# KiCad board pcb.kicad_pcb
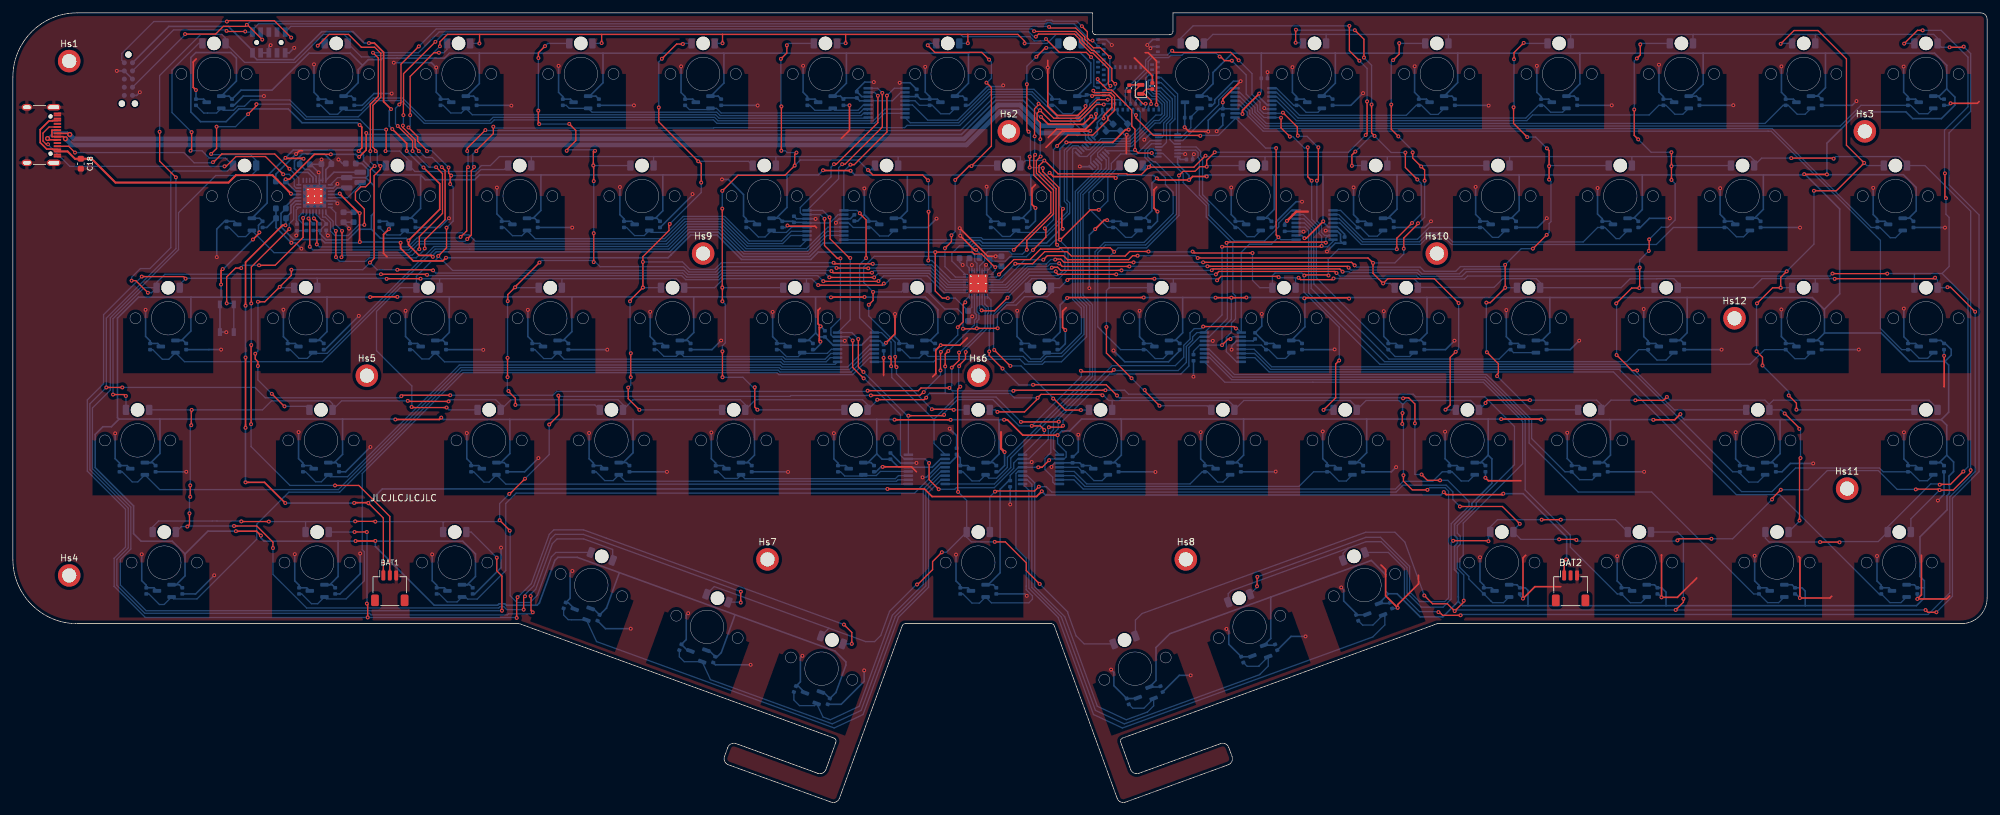
[diagram p0: board, top side]
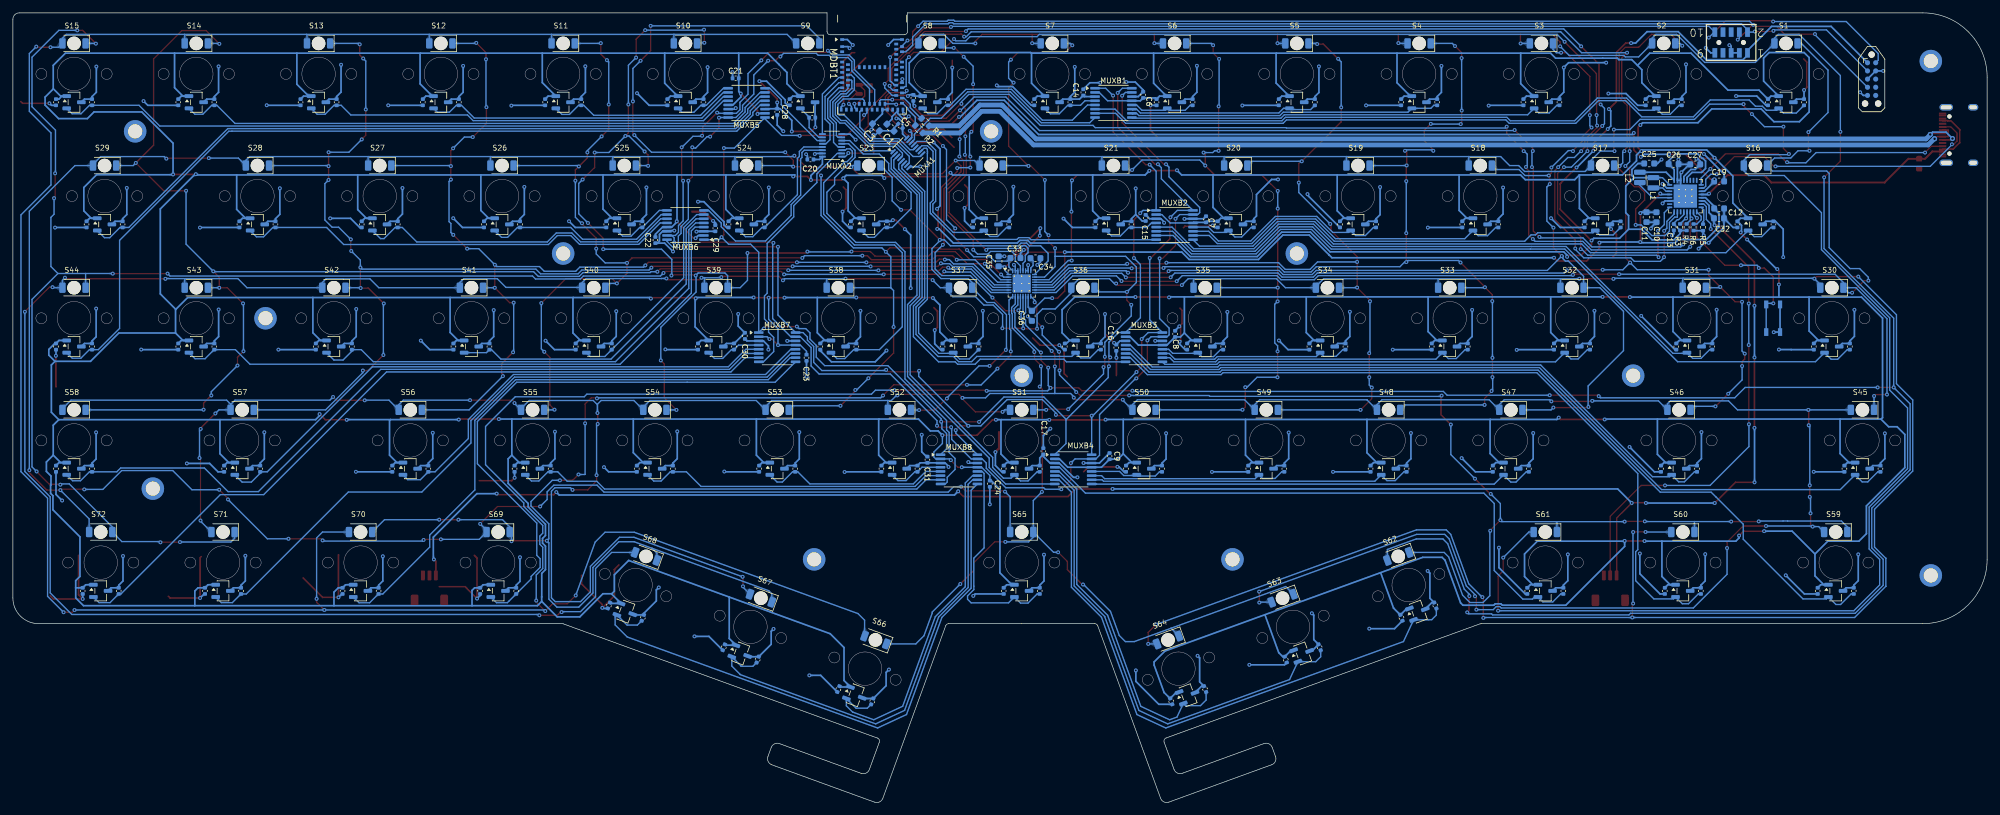
[diagram p1: board, bottom side, seen from below]

Outline 306.75 x 122.76 mm; copper layers: Top, Bottom. Coordinates in mm from the lower left corner of the outline.
Outline path: 0,112.76 0,37.76 arc(2.93,30.69) 10,27.76 78.61,27.76 arc(78.7,27.75) 78.78,27.73 127.58,9.97 arc(127.86,9.71) 127.87,9.33 126.33,5.08 arc(125.81,4.52) 125.05,4.49 112.36,9.1 arc(111.6,9.07) 111.08,8.51 110.57,7.1 arc(110.6,6.33) 111.16,5.81 127.14,0 arc(127.9,0.03) 128.42,0.6 138.19,27.43 arc(138.37,27.67) 138.66,27.76 161.34,27.76 arc(161.63,27.67) 161.81,27.43 171.58,0.6 arc(172.1,0.03) 172.86,0 188.84,5.81 arc(189.4,6.33) 189.43,7.1 188.92,8.51 arc(188.4,9.07) 187.64,9.1 174.95,4.49 arc(174.19,4.52) 173.67,5.08 172.13,9.33 arc(172.14,9.71) 172.42,9.97 221.22,27.73 arc(221.3,27.75) 221.39,27.76 302.75,27.76 arc(305.58,28.93) 306.75,31.76 306.75,121.76 arc(306.46,122.47) 305.75,122.76 180.25,122.76 180.25,119.86 arc(180.1,119.51) 179.75,119.36 168.25,119.36 arc(167.9,119.51) 167.75,119.86 167.75,122.76 10,122.76 arc(2.93,119.83) 0,112.76
Stack: Top 0.035mm / dielectric 1.51mm FR4 er 4.5 / Bottom 0.035mm

## Placement (name value [footprint] x y rotation side)
BAT1  ~  [JST_SH_SM03B-SRSS-TB_1x03-1MP_P1.00mm_Horizontal]  58.56 33.26 0 top
BAT2  ~  [JST_SH_SM03B-SRSS-TB_1x03-1MP_P1.00mm_Horizontal]  242.03 33.26 0 top
C1  10uF  [C_0603_1608Metric]  170.4 104.91 225 bottom
C2  12pF  [C_0402_1005Metric]  177.05 111.38 90 top
C3  10uF  [C_0603_1608Metric]  172.65 104.96 225 bottom
C4  12pF  [C_0402_1005Metric]  173.45 111.04 270 top
C5  .1uF  [C_0402_1005Metric]  168.85 105.16 225 bottom
C6  .1uF  [C_0402_1005Metric]  131.13 110.01 270 bottom
C7  .1uF  [C_0402_1005Metric]  121.36 90.65 270 bottom
C8  .1uF  [C_0402_1005Metric]  126.17 72.83 270 bottom
C9  .1uF  [C_0402_1005Metric]  136.35 53.82 270 bottom
C10  10uF  [C_0603_1608Metric]  51.38 90.98 270 bottom
C11  10uF  [C_0603_1608Metric]  52.93 90.99 270 bottom
C12  10uF  [C_0603_1608Metric]  41.64 92.34 180 bottom
C13  0.1uF  [C_0402_1005Metric]  48.68 89.43 90 bottom
C14  .1uF  [C_0402_1005Metric]  140.43 110.39 270 bottom
C15  .1uF  [C_0402_1005Metric]  130.74 90.87 270 bottom
C16  .1uF  [C_0402_1005Metric]  135.31 70.68 270 bottom
C17  .1uF  [C_0402_1005Metric]  146.64 54.57 270 bottom
C18  1uF  [C_0603_1608Metric]  10.56 99.3 270 top
C19  1uF  [C_0603_1608Metric]  41.64 96.55 180 bottom
C20  .1uF  [C_0402_1005Metric]  182.83 99.96 180 bottom
C21  .1uF  [C_0402_1005Metric]  194.45 112.58 180 bottom
C22  .1uF  [C_0402_1005Metric]  206.92 87.42 90 bottom
C23  .1uF  [C_0402_1005Metric]  183.44 69.12 90 bottom
C24  .1uF  [C_0402_1005Metric]  154.95 49.53 90 bottom
C25  10uF  [C_0603_1608Metric]  52.51 99.33 180 bottom
C26  10uF  [C_0603_1608Metric]  48.72 99.25 180 bottom
C27  2.2uF  [C_0603_1608Metric]  45.34 99.2 0 bottom
C28  .1uF  [C_0402_1005Metric]  187.99 107.37 270 bottom
C29  .1uF  [C_0402_1005Metric]  197.61 89.26 270 bottom
C30  .1uF  [C_0402_1005Metric]  193.01 72.52 270 bottom
C31  .1uF  [C_0402_1005Metric]  164.65 53.26 270 bottom
C32  2.2uF  [C_0603_1608Metric]  41.66 90.81 180 bottom
C33  1nF  [C_0603_1608Metric]  150.97 84.63 180 bottom
C34  1uF  [C_0603_1608Metric]  147.87 84.6 0 bottom
C35  1uF  [C_0603_1608Metric]  153.59 84.12 90 bottom
C36  1uF  [C_0603_1608Metric]  148.42 75.62 270 bottom
Cvcc1  0.1uF  [C_0402_1005Metric]  34.05 108.86 270 bottom
Cvcc2  0.1uF  [C_0402_1005Metric]  53.05 108.86 270 bottom
Cvcc3  0.1uF  [C_0402_1005Metric]  72.05 108.86 270 bottom
Cvcc4  0.1uF  [C_0402_1005Metric]  91.05 108.86 270 bottom
Cvcc5  0.1uF  [C_0402_1005Metric]  110.05 108.86 270 bottom
Cvcc6  0.1uF  [C_0402_1005Metric]  129.05 108.86 270 bottom
Cvcc7  0.1uF  [C_0402_1005Metric]  148.05 108.86 270 bottom
Cvcc8  0.1uF  [C_0402_1005Metric]  166.84 109.54 270 bottom
Cvcc9  0.1uF  [C_0402_1005Metric]  186.05 108.86 270 bottom
Cvcc10  0.1uF  [C_0402_1005Metric]  205.05 108.86 270 bottom
Cvcc11  0.1uF  [C_0402_1005Metric]  224.05 108.86 270 bottom
Cvcc12  0.1uF  [C_0402_1005Metric]  243.05 108.86 270 bottom
Cvcc13  0.1uF  [C_0402_1005Metric]  262.05 108.86 270 bottom
Cvcc14  0.1uF  [C_0402_1005Metric]  281.05 108.86 270 bottom
Cvcc15  0.1uF  [C_0402_1005Metric]  300.05 108.86 270 bottom
Cvcc16  0.1uF  [C_0402_1005Metric]  38.8 89.86 270 bottom
Cvcc17  0.1uF  [C_0402_1005Metric]  62.55 89.86 270 bottom
Cvcc18  0.1uF  [C_0402_1005Metric]  81.55 89.86 270 bottom
Cvcc19  0.1uF  [C_0402_1005Metric]  100.55 89.86 270 bottom
Cvcc20  0.1uF  [C_0402_1005Metric]  119.55 89.86 270 bottom
Cvcc21  0.1uF  [C_0402_1005Metric]  138.55 89.86 270 bottom
Cvcc22  0.1uF  [C_0402_1005Metric]  157.55 89.86 270 bottom
Cvcc23  0.1uF  [C_0402_1005Metric]  176.55 89.86 270 bottom
Cvcc24  0.1uF  [C_0402_1005Metric]  195.55 89.86 270 bottom
Cvcc25  0.1uF  [C_0402_1005Metric]  214.55 89.86 270 bottom
Cvcc26  0.1uF  [C_0402_1005Metric]  233.55 89.86 270 bottom
Cvcc27  0.1uF  [C_0402_1005Metric]  252.55 89.86 270 bottom
Cvcc28  0.1uF  [C_0402_1005Metric]  271.55 89.86 270 bottom
Cvcc29  0.1uF  [C_0402_1005Metric]  295.3 89.86 270 bottom
Cvcc30  0.1uF  [C_0402_1005Metric]  26.93 70.86 270 bottom
Cvcc31  0.1uF  [C_0402_1005Metric]  48.3 70.86 270 bottom
Cvcc32  0.1uF  [C_0402_1005Metric]  67.3 70.86 270 bottom
Cvcc33  0.1uF  [C_0402_1005Metric]  86.3 70.86 270 bottom
Cvcc34  0.1uF  [C_0402_1005Metric]  105.3 70.86 270 bottom
Cvcc35  0.1uF  [C_0402_1005Metric]  124.3 70.86 270 bottom
Cvcc36  0.1uF  [C_0402_1005Metric]  143.3 70.86 270 bottom
Cvcc37  0.1uF  [C_0402_1005Metric]  162.3 70.86 270 bottom
Cvcc38  0.1uF  [C_0402_1005Metric]  181.3 70.86 270 bottom
Cvcc39  0.1uF  [C_0402_1005Metric]  200.3 70.86 270 bottom
Cvcc40  0.1uF  [C_0402_1005Metric]  219.3 70.86 270 bottom
Cvcc41  0.1uF  [C_0402_1005Metric]  238.3 70.86 270 bottom
Cvcc42  0.1uF  [C_0402_1005Metric]  259.68 70.86 270 bottom
Cvcc43  0.1uF  [C_0402_1005Metric]  281.05 70.86 270 bottom
Cvcc44  0.1uF  [C_0402_1005Metric]  300.05 70.86 270 bottom
Cvcc45  0.1uF  [C_0402_1005Metric]  22.18 51.86 270 bottom
Cvcc46  0.1uF  [C_0402_1005Metric]  50.67 51.86 270 bottom
Cvcc47  0.1uF  [C_0402_1005Metric]  76.8 51.86 270 bottom
Cvcc48  0.1uF  [C_0402_1005Metric]  95.8 51.86 270 bottom
Cvcc49  0.1uF  [C_0402_1005Metric]  114.8 51.86 270 bottom
Cvcc50  0.1uF  [C_0402_1005Metric]  133.8 51.86 270 bottom
Cvcc51  0.1uF  [C_0402_1005Metric]  152.8 51.86 270 bottom
Cvcc52  0.1uF  [C_0402_1005Metric]  171.8 51.86 270 bottom
Cvcc53  0.1uF  [C_0402_1005Metric]  190.8 51.86 270 bottom
Cvcc54  0.1uF  [C_0402_1005Metric]  209.8 51.86 270 bottom
Cvcc55  0.1uF  [C_0402_1005Metric]  228.8 51.86 270 bottom
Cvcc56  0.1uF  [C_0402_1005Metric]  247.8 51.86 270 bottom
Cvcc57  0.1uF  [C_0402_1005Metric]  273.93 51.86 270 bottom
Cvcc58  0.1uF  [C_0402_1005Metric]  300.05 51.86 270 bottom
Cvcc59  0.1uF  [C_0402_1005Metric]  26.32 32.86 270 bottom
Cvcc60  0.1uF  [C_0402_1005Metric]  50.08 32.86 270 bottom
Cvcc61  0.1uF  [C_0402_1005Metric]  71.45 32.86 270 bottom
Cvcc62  0.1uF  [C_0402_1005Metric]  91 28.67 250 bottom
Cvcc63  0.1uF  [C_0402_1005Metric]  108.98 22.17 250 bottom
Cvcc64  0.1uF  [C_0402_1005Metric]  126.78 15.67 250 bottom
Cvcc65  0.1uF  [C_0402_1005Metric]  152.8 32.86 270 bottom
Cvcc66  0.1uF  [C_0402_1005Metric]  178.49 17.58 290 bottom
Cvcc67  0.1uF  [C_0402_1005Metric]  196.29 24.08 290 bottom
Cvcc68  0.1uF  [C_0402_1005Metric]  214.14 30.58 290 bottom
Cvcc69  0.1uF  [C_0402_1005Metric]  234.15 32.86 270 bottom
Cvcc70  0.1uF  [C_0402_1005Metric]  255.53 32.86 270 bottom
Cvcc71  0.1uF  [C_0402_1005Metric]  276.9 32.86 270 bottom
Cvcc72  0.1uF  [C_0402_1005Metric]  295.9 32.86 270 bottom
Cvout1  0.1nF  [C_0402_1005Metric]  28.45 108.86 90 bottom
Cvout2  0.1nF  [C_0402_1005Metric]  47.45 108.86 90 bottom
Cvout3  0.1nF  [C_0402_1005Metric]  66.45 108.86 90 bottom
Cvout4  0.1nF  [C_0402_1005Metric]  85.45 108.86 90 bottom
Cvout5  0.1nF  [C_0402_1005Metric]  104.45 108.86 90 bottom
Cvout6  0.1nF  [C_0402_1005Metric]  123.45 108.86 90 bottom
Cvout7  0.1nF  [C_0402_1005Metric]  142.45 108.86 90 bottom
Cvout8  0.1nF  [C_0402_1005Metric]  161.45 108.86 90 bottom
Cvout9  0.1nF  [C_0402_1005Metric]  182.55 106.46 180 bottom
Cvout10  0.1nF  [C_0402_1005Metric]  199.45 108.86 90 bottom
Cvout11  0.1nF  [C_0402_1005Metric]  218.45 108.86 90 bottom
Cvout12  0.1nF  [C_0402_1005Metric]  237.45 108.86 90 bottom
Cvout13  0.1nF  [C_0402_1005Metric]  256.45 108.86 90 bottom
Cvout14  0.1nF  [C_0402_1005Metric]  275.45 108.86 90 bottom
Cvout15  0.1nF  [C_0402_1005Metric]  294.45 108.86 90 bottom
Cvout16  0.1nF  [C_0402_1005Metric]  33.2 89.86 90 bottom
Cvout17  0.1nF  [C_0402_1005Metric]  56.95 89.86 90 bottom
Cvout18  0.1nF  [C_0402_1005Metric]  75.95 89.86 90 bottom
Cvout19  0.1nF  [C_0402_1005Metric]  94.95 89.86 90 bottom
Cvout20  0.1nF  [C_0402_1005Metric]  113.95 89.86 90 bottom
Cvout21  0.1nF  [C_0402_1005Metric]  132.95 89.86 90 bottom
Cvout22  0.1nF  [C_0402_1005Metric]  151.95 89.86 90 bottom
Cvout23  0.1nF  [C_0402_1005Metric]  170.95 89.86 90 bottom
Cvout24  0.1nF  [C_0402_1005Metric]  189.95 89.86 90 bottom
Cvout25  0.1nF  [C_0402_1005Metric]  208.95 89.86 90 bottom
Cvout26  0.1nF  [C_0402_1005Metric]  227.95 89.86 90 bottom
Cvout27  0.1nF  [C_0402_1005Metric]  246.95 89.86 90 bottom
Cvout28  0.1nF  [C_0402_1005Metric]  265.95 89.86 90 bottom
Cvout29  0.1nF  [C_0402_1005Metric]  289.7 89.86 90 bottom
Cvout30  0.1nF  [C_0402_1005Metric]  21.32 70.86 90 bottom
Cvout31  0.1nF  [C_0402_1005Metric]  42.7 70.86 90 bottom
Cvout32  0.1nF  [C_0402_1005Metric]  61.7 70.86 90 bottom
Cvout33  0.1nF  [C_0402_1005Metric]  80.7 70.86 90 bottom
Cvout34  0.1nF  [C_0402_1005Metric]  99.7 70.86 90 bottom
Cvout35  0.1nF  [C_0402_1005Metric]  118.7 70.86 90 bottom
Cvout36  0.1nF  [C_0402_1005Metric]  137.7 70.86 90 bottom
Cvout37  0.1nF  [C_0402_1005Metric]  156.7 70.86 90 bottom
Cvout38  0.1nF  [C_0402_1005Metric]  175.7 70.86 90 bottom
Cvout39  0.1nF  [C_0402_1005Metric]  194.7 70.86 90 bottom
Cvout40  0.1nF  [C_0402_1005Metric]  213.7 70.86 90 bottom
Cvout41  0.1nF  [C_0402_1005Metric]  232.7 70.86 90 bottom
Cvout42  0.1nF  [C_0402_1005Metric]  254.07 70.86 90 bottom
Cvout43  0.1nF  [C_0402_1005Metric]  275.45 70.86 90 bottom
Cvout44  0.1nF  [C_0402_1005Metric]  294.45 70.86 90 bottom
Cvout45  0.1nF  [C_0402_1005Metric]  16.57 51.86 90 bottom
Cvout46  0.1nF  [C_0402_1005Metric]  45.08 51.86 90 bottom
Cvout47  0.1nF  [C_0402_1005Metric]  71.2 51.86 90 bottom
Cvout48  0.1nF  [C_0402_1005Metric]  90.2 51.86 90 bottom
Cvout49  0.1nF  [C_0402_1005Metric]  109.2 51.86 90 bottom
Cvout50  0.1nF  [C_0402_1005Metric]  128.2 51.86 90 bottom
Cvout51  0.1nF  [C_0402_1005Metric]  147.2 51.86 90 bottom
Cvout52  0.1nF  [C_0402_1005Metric]  166.2 51.86 90 bottom
Cvout53  0.1nF  [C_0402_1005Metric]  185.2 51.86 90 bottom
Cvout54  0.1nF  [C_0402_1005Metric]  204.2 51.86 90 bottom
Cvout55  0.1nF  [C_0402_1005Metric]  223.2 51.86 90 bottom
Cvout56  0.1nF  [C_0402_1005Metric]  242.2 51.86 90 bottom
Cvout57  0.1nF  [C_0402_1005Metric]  268.32 51.86 90 bottom
Cvout58  0.1nF  [C_0402_1005Metric]  294.45 51.86 90 bottom
Cvout59  0.1nF  [C_0402_1005Metric]  20.73 32.86 90 bottom
Cvout60  0.1nF  [C_0402_1005Metric]  44.48 32.86 90 bottom
Cvout61  0.1nF  [C_0402_1005Metric]  65.85 32.86 90 bottom
Cvout62  0.1nF  [C_0402_1005Metric]  85.74 30.58 70 bottom
Cvout63  0.1nF  [C_0402_1005Metric]  103.71 24.08 70 bottom
Cvout64  0.1nF  [C_0402_1005Metric]  121.51 17.58 70 bottom
Cvout65  0.1nF  [C_0402_1005Metric]  147.2 32.86 90 bottom
Cvout66  0.1nF  [C_0402_1005Metric]  173.22 15.67 110 bottom
Cvout67  0.1nF  [C_0402_1005Metric]  191.02 22.17 110 bottom
Cvout68  0.1nF  [C_0402_1005Metric]  208.87 28.67 110 bottom
Cvout69  0.1nF  [C_0402_1005Metric]  228.55 32.86 90 bottom
Cvout70  0.1nF  [C_0402_1005Metric]  249.93 32.86 90 bottom
Cvout71  0.1nF  [C_0402_1005Metric]  271.3 32.86 90 bottom
Cvout72  0.1nF  [C_0402_1005Metric]  290.3 32.86 90 bottom
D1  Green LED  [LED_1206_3216Metric_ReverseMount_Hole2.1mm]  31.25 118.01 0 bottom
D2  Green LED  [LED_1206_3216Metric_ReverseMount_Hole2.1mm]  50.25 118.01 0 bottom
D3  Green LED  [LED_1206_3216Metric_ReverseMount_Hole2.1mm]  69.25 118.01 0 bottom
D4  Green LED  [LED_1206_3216Metric_ReverseMount_Hole2.1mm]  88.25 118.01 0 bottom
D5  Green LED  [LED_1206_3216Metric_ReverseMount_Hole2.1mm]  107.25 118.01 0 bottom
D6  Green LED  [LED_1206_3216Metric_ReverseMount_Hole2.1mm]  126.25 118.01 0 bottom
D7  Green LED  [LED_1206_3216Metric_ReverseMount_Hole2.1mm]  145.25 118.01 0 bottom
D8  Green LED  [LED_1206_3216Metric_ReverseMount_Hole2.1mm]  164.25 118.01 0 bottom
D9  Green LED  [LED_1206_3216Metric_ReverseMount_Hole2.1mm]  183.25 118.01 0 bottom
D10  Green LED  [LED_1206_3216Metric_ReverseMount_Hole2.1mm]  202.25 118.01 0 bottom
D11  Green LED  [LED_1206_3216Metric_ReverseMount_Hole2.1mm]  221.25 118.01 0 bottom
D12  Green LED  [LED_1206_3216Metric_ReverseMount_Hole2.1mm]  240.25 118.01 0 bottom
D13  Green LED  [LED_1206_3216Metric_ReverseMount_Hole2.1mm]  259.25 118.01 0 bottom
D14  Green LED  [LED_1206_3216Metric_ReverseMount_Hole2.1mm]  278.25 118.01 0 bottom
D15  Green LED  [LED_1206_3216Metric_ReverseMount_Hole2.1mm]  297.25 118.01 0 bottom
D16  Green LED  [LED_1206_3216Metric_ReverseMount_Hole2.1mm]  36 99.01 0 bottom
D17  Green LED  [LED_1206_3216Metric_ReverseMount_Hole2.1mm]  59.75 99.01 0 bottom
D18  Green LED  [LED_1206_3216Metric_ReverseMount_Hole2.1mm]  78.75 99.01 0 bottom
D19  Green LED  [LED_1206_3216Metric_ReverseMount_Hole2.1mm]  97.75 99.01 0 bottom
D20  Green LED  [LED_1206_3216Metric_ReverseMount_Hole2.1mm]  116.75 99.01 0 bottom
D21  Green LED  [LED_1206_3216Metric_ReverseMount_Hole2.1mm]  135.75 99.01 0 bottom
D22  Green LED  [LED_1206_3216Metric_ReverseMount_Hole2.1mm]  154.75 99.01 0 bottom
D23  Green LED  [LED_1206_3216Metric_ReverseMount_Hole2.1mm]  173.75 99.01 0 bottom
D24  Green LED  [LED_1206_3216Metric_ReverseMount_Hole2.1mm]  192.75 99.01 0 bottom
D25  Green LED  [LED_1206_3216Metric_ReverseMount_Hole2.1mm]  211.75 99.01 0 bottom
D26  Green LED  [LED_1206_3216Metric_ReverseMount_Hole2.1mm]  230.75 99.01 0 bottom
D27  Green LED  [LED_1206_3216Metric_ReverseMount_Hole2.1mm]  249.75 99.01 0 bottom
D28  Green LED  [LED_1206_3216Metric_ReverseMount_Hole2.1mm]  268.75 99.01 0 bottom
D29  Green LED  [LED_1206_3216Metric_ReverseMount_Hole2.1mm]  292.5 99.01 0 bottom
D30  Green LED  [LED_1206_3216Metric_ReverseMount_Hole2.1mm]  24.12 80.01 0 bottom
D31  Green LED  [LED_1206_3216Metric_ReverseMount_Hole2.1mm]  45.5 80.01 0 bottom
D32  Green LED  [LED_1206_3216Metric_ReverseMount_Hole2.1mm]  64.5 80.01 0 bottom
D33  Green LED  [LED_1206_3216Metric_ReverseMount_Hole2.1mm]  83.5 80.01 0 bottom
D34  Green LED  [LED_1206_3216Metric_ReverseMount_Hole2.1mm]  102.5 80.01 0 bottom
D35  Green LED  [LED_1206_3216Metric_ReverseMount_Hole2.1mm]  121.5 80.01 0 bottom
D36  Green LED  [LED_1206_3216Metric_ReverseMount_Hole2.1mm]  140.5 80.01 0 bottom
D37  Green LED  [LED_1206_3216Metric_ReverseMount_Hole2.1mm]  159.5 80.01 0 bottom
D38  Green LED  [LED_1206_3216Metric_ReverseMount_Hole2.1mm]  178.5 80.01 0 bottom
D39  Green LED  [LED_1206_3216Metric_ReverseMount_Hole2.1mm]  197.5 80.01 0 bottom
D40  Green LED  [LED_1206_3216Metric_ReverseMount_Hole2.1mm]  216.5 80.01 0 bottom
D41  Green LED  [LED_1206_3216Metric_ReverseMount_Hole2.1mm]  235.5 80.01 0 bottom
D42  Green LED  [LED_1206_3216Metric_ReverseMount_Hole2.1mm]  256.88 80.01 0 bottom
D43  Green LED  [LED_1206_3216Metric_ReverseMount_Hole2.1mm]  278.25 80.01 0 bottom
D44  Green LED  [LED_1206_3216Metric_ReverseMount_Hole2.1mm]  297.25 80.01 0 bottom
D45  Green LED  [LED_1206_3216Metric_ReverseMount_Hole2.1mm]  19.38 61.01 0 bottom
D46  Green LED  [LED_1206_3216Metric_ReverseMount_Hole2.1mm]  47.88 61.01 0 bottom
D47  Green LED  [LED_1206_3216Metric_ReverseMount_Hole2.1mm]  74 61.01 0 bottom
D48  Green LED  [LED_1206_3216Metric_ReverseMount_Hole2.1mm]  93 61.01 0 bottom
D49  Green LED  [LED_1206_3216Metric_ReverseMount_Hole2.1mm]  112 61.01 0 bottom
D50  Green LED  [LED_1206_3216Metric_ReverseMount_Hole2.1mm]  131 61.01 0 bottom
D51  Green LED  [LED_1206_3216Metric_ReverseMount_Hole2.1mm]  150 61.01 0 bottom
D52  Green LED  [LED_1206_3216Metric_ReverseMount_Hole2.1mm]  169 61.01 0 bottom
D53  Green LED  [LED_1206_3216Metric_ReverseMount_Hole2.1mm]  188 61.01 0 bottom
D54  Green LED  [LED_1206_3216Metric_ReverseMount_Hole2.1mm]  207 61.01 0 bottom
D55  Green LED  [LED_1206_3216Metric_ReverseMount_Hole2.1mm]  226 61.01 0 bottom
D56  Green LED  [LED_1206_3216Metric_ReverseMount_Hole2.1mm]  245 61.01 0 bottom
D57  Green LED  [LED_1206_3216Metric_ReverseMount_Hole2.1mm]  271.12 61.01 0 bottom
D58  Green LED  [LED_1206_3216Metric_ReverseMount_Hole2.1mm]  297.25 61.01 0 bottom
D59  Green LED  [LED_1206_3216Metric_ReverseMount_Hole2.1mm]  23.52 42.01 0 bottom
D60  Green LED  [LED_1206_3216Metric_ReverseMount_Hole2.1mm]  47.27 42.01 0 bottom
D61  Green LED  [LED_1206_3216Metric_ReverseMount_Hole2.1mm]  68.65 42.01 0 bottom
D62  Green LED  [LED_1206_3216Metric_ReverseMount_Hole2.1mm]  91.5 38.22 340 bottom
D63  Green LED  [LED_1206_3216Metric_ReverseMount_Hole2.1mm]  109.47 31.72 340 bottom
D64  Green LED  [LED_1206_3216Metric_ReverseMount_Hole2.1mm]  127.27 25.22 340 bottom
D65  Green LED  [LED_1206_3216Metric_ReverseMount_Hole2.1mm]  150 42.01 0 bottom
D66  Green LED  [LED_1206_3216Metric_ReverseMount_Hole2.1mm]  172.73 25.22 20 bottom
D67  Green LED  [LED_1206_3216Metric_ReverseMount_Hole2.1mm]  190.53 31.72 20 bottom
D68  Green LED  [LED_1206_3216Metric_ReverseMount_Hole2.1mm]  208.38 38.22 20 bottom
D69  Green LED  [LED_1206_3216Metric_ReverseMount_Hole2.1mm]  231.35 42.01 0 bottom
D70  Green LED  [LED_1206_3216Metric_ReverseMount_Hole2.1mm]  252.72 42.01 0 bottom
D71  Green LED  [LED_1206_3216Metric_ReverseMount_Hole2.1mm]  274.1 42.01 0 bottom
D72  Green LED  [LED_1206_3216Metric_ReverseMount_Hole2.1mm]  293.1 42.01 0 bottom
Hs1  M2_Pad  [MountingHole_2.2mm_M2_ISO7380_Pad_TopBottom]  8.75 115.26 0 top
Hs2  M2_Pad  [MountingHole_2.2mm_M2_ISO7380_Pad_TopBottom]  154.75 104.33 0 top
Hs3  M2_Pad  [MountingHole_2.2mm_M2_ISO7380_Pad_TopBottom]  287.75 104.33 0 top
Hs4  M2_Pad  [MountingHole_2.2mm_M2_ISO7380_Pad_TopBottom]  8.75 35.26 0 top
Hs5  M2_Pad  [MountingHole_2.2mm_M2_ISO7380_Pad_TopBottom]  55 66.33 0 top
Hs6  M2_Pad  [MountingHole_2.2mm_M2_ISO7380_Pad_TopBottom]  150 66.33 0 top
Hs7  M2_Pad  [MountingHole_2.2mm_M2_ISO7380_Pad_TopBottom]  117.25 37.76 0 top
Hs8  M2_Pad  [MountingHole_2.2mm_M2_ISO7380_Pad_TopBottom]  182.25 37.76 0 top
Hs9  M2_Pad  [MountingHole_2.2mm_M2_ISO7380_Pad_TopBottom]  107.25 85.33 0 top
Hs10  M2_Pad  [MountingHole_2.2mm_M2_ISO7380_Pad_TopBottom]  221.25 85.33 0 top
Hs11  M2_Pad  [MountingHole_2.2mm_M2_ISO7380_Pad_TopBottom]  285 48.76 0 top
Hs12  M2_Pad  [MountingHole_2.2mm_M2_ISO7380_Pad_TopBottom]  267.5 75.26 0 top
JLC1  -  [JLC_Order_Num]  60.82 47.21 0 top
JTAG1  Conn_ARM_JTAG_SWD_10  [SAMTEC-CLP-105-02-X-D-A]  39.77 118.15 0 bottom
JTAG2  Conn_ARM_JTAG_SWD_10  [Tag-Connect_TC2050-IDC-NL_2x05_P1.27mm_Vertical]  17.95 112.46 270 bottom
Jusb1  USB_TYPE_C_Receptacle_16P  [USB_C_Receptacle_XKB_U262-16XN-4BVC11]  3.25 103.76 270 top
L1  2.2uH  [L_Samsung_CIGT201610EH2R2MNE]  51.86 96.33 270 bottom
L2  2.2uH  [L_Samsung_CIGT201610EH2R2MNE]  53.96 97.17 270 bottom
LEDDR1  LP5864  [VQFN-32-1EP_4x4mm_P0.4mm_EP2.8x2.8mm_ThermalVias]  150 80.66 180 bottom
MDBT1  ~  [Raytac_MDBT50Q]  173.25 114.86 180 bottom
MUXA1  TMUX1574DYY  [Texas_DYY0016A_TSOT-23-16_2x4.2mm_P0.5mm]  167.69 100.99 135 bottom
MUXA2  TMUX1574DYY  [Texas_DYY0016A_TSOT-23-16_2x4.2mm_P0.5mm]  179.47 102.15 0 bottom
MUXB1  TMUX1108PW  [TSSOP-16_4.4x5mm_P0.65mm]  135.75 108.76 180 bottom
MUXB2  TMUX1108PW  [TSSOP-16_4.4x5mm_P0.65mm]  126.25 89.76 180 bottom
MUXB3  TMUX1108PW  [TSSOP-16_4.4x5mm_P0.65mm]  131 70.76 180 bottom
MUXB4  TMUX1108PW  [TSSOP-16_4.4x5mm_P0.65mm]  142 51.76 180 bottom
MUXB5  TMUX1108PW  [TSSOP-16_4.4x5mm_P0.65mm]  192.75 108.76 0 bottom
MUXB6  TMUX1108PW  [TSSOP-16_4.4x5mm_P0.65mm]  202.25 89.76 0 bottom
MUXB7  TMUX1108PW  [TSSOP-16_4.4x5mm_P0.65mm]  188 70.76 180 bottom
MUXB8  TMUX1108PW  [TSSOP-16_4.4x5mm_P0.65mm]  159.75 51.76 180 bottom
PMIC1  nPM1300-QEXX  [QFN-32-1EP_5x5mm_P0.5mm_EP3.6x3.6mm_ThermalVias]  46.88 94.26 180 bottom
R1  27R  [R_0603_1608Metric]  164.97 105.77 225 bottom
R2  27R  [R_0603_1608Metric]  165.95 104.66 225 bottom
R3  10k  [R_0402_1005Metric]  46.69 89.42 90 bottom
R4  10k  [R_0402_1005Metric]  47.7 89.42 90 bottom
R5  47k  [R_0402_1005Metric]  44.14 89.39 90 bottom
R6  47k  [R_0402_1005Metric]  45.61 89.41 90 bottom
S1  Switch  [Gateron_Switch_Lowpro]  31.25 113.26 0 top
S2  Switch  [Gateron_Switch_Lowpro]  50.25 113.26 0 top
S3  Switch  [Gateron_Switch_Lowpro]  69.25 113.26 0 top
S4  Switch  [Gateron_Switch_Lowpro]  88.25 113.26 0 top
S5  Switch  [Gateron_Switch_Lowpro]  107.25 113.26 0 top
S6  Switch  [Gateron_Switch_Lowpro]  126.25 113.26 0 top
S7  Switch  [Gateron_Switch_Lowpro]  145.25 113.26 0 top
S8  Switch  [Gateron_Switch_Lowpro]  164.25 113.26 0 top
S9  Switch  [Gateron_Switch_Lowpro]  183.25 113.26 0 top
S10  Switch  [Gateron_Switch_Lowpro]  202.25 113.26 0 top
S11  Switch  [Gateron_Switch_Lowpro]  221.25 113.26 0 top
S12  Switch  [Gateron_Switch_Lowpro]  240.25 113.26 0 top
S13  Switch  [Gateron_Switch_Lowpro]  259.25 113.26 0 top
S14  Switch  [Gateron_Switch_Lowpro]  278.25 113.26 0 top
S15  Switch  [Gateron_Switch_Lowpro]  297.25 113.26 0 top
S16  Switch  [Gateron_Switch_Lowpro]  36 94.26 0 top
S17  Switch  [Gateron_Switch_Lowpro]  59.75 94.26 0 top
S18  Switch  [Gateron_Switch_Lowpro]  78.75 94.26 0 top
S19  Switch  [Gateron_Switch_Lowpro]  97.75 94.26 0 top
S20  Switch  [Gateron_Switch_Lowpro]  116.75 94.26 0 top
S21  Switch  [Gateron_Switch_Lowpro]  135.75 94.26 0 top
S22  Switch  [Gateron_Switch_Lowpro]  154.75 94.26 0 top
S23  Switch  [Gateron_Switch_Lowpro]  173.75 94.26 0 top
S24  Switch  [Gateron_Switch_Lowpro]  192.75 94.26 0 top
S25  Switch  [Gateron_Switch_Lowpro]  211.75 94.26 0 top
S26  Switch  [Gateron_Switch_Lowpro]  230.75 94.26 0 top
S27  Switch  [Gateron_Switch_Lowpro]  249.75 94.26 0 top
S28  Switch  [Gateron_Switch_Lowpro]  268.75 94.26 0 top